# Altium PCB WunderBar_v102b.PcbDoc (part 7 of 7)
Units mil, origin at the board's own origin, x right, y up, seen from the top; angles counter-clockwise.
Board outline 4556.01 x 1552 mil, 4 copper layers (Top, Route2, Route15, Bottom), stack 52.756 mil thick; 380 components, 258 nets, 1400 pads, 528 vias.
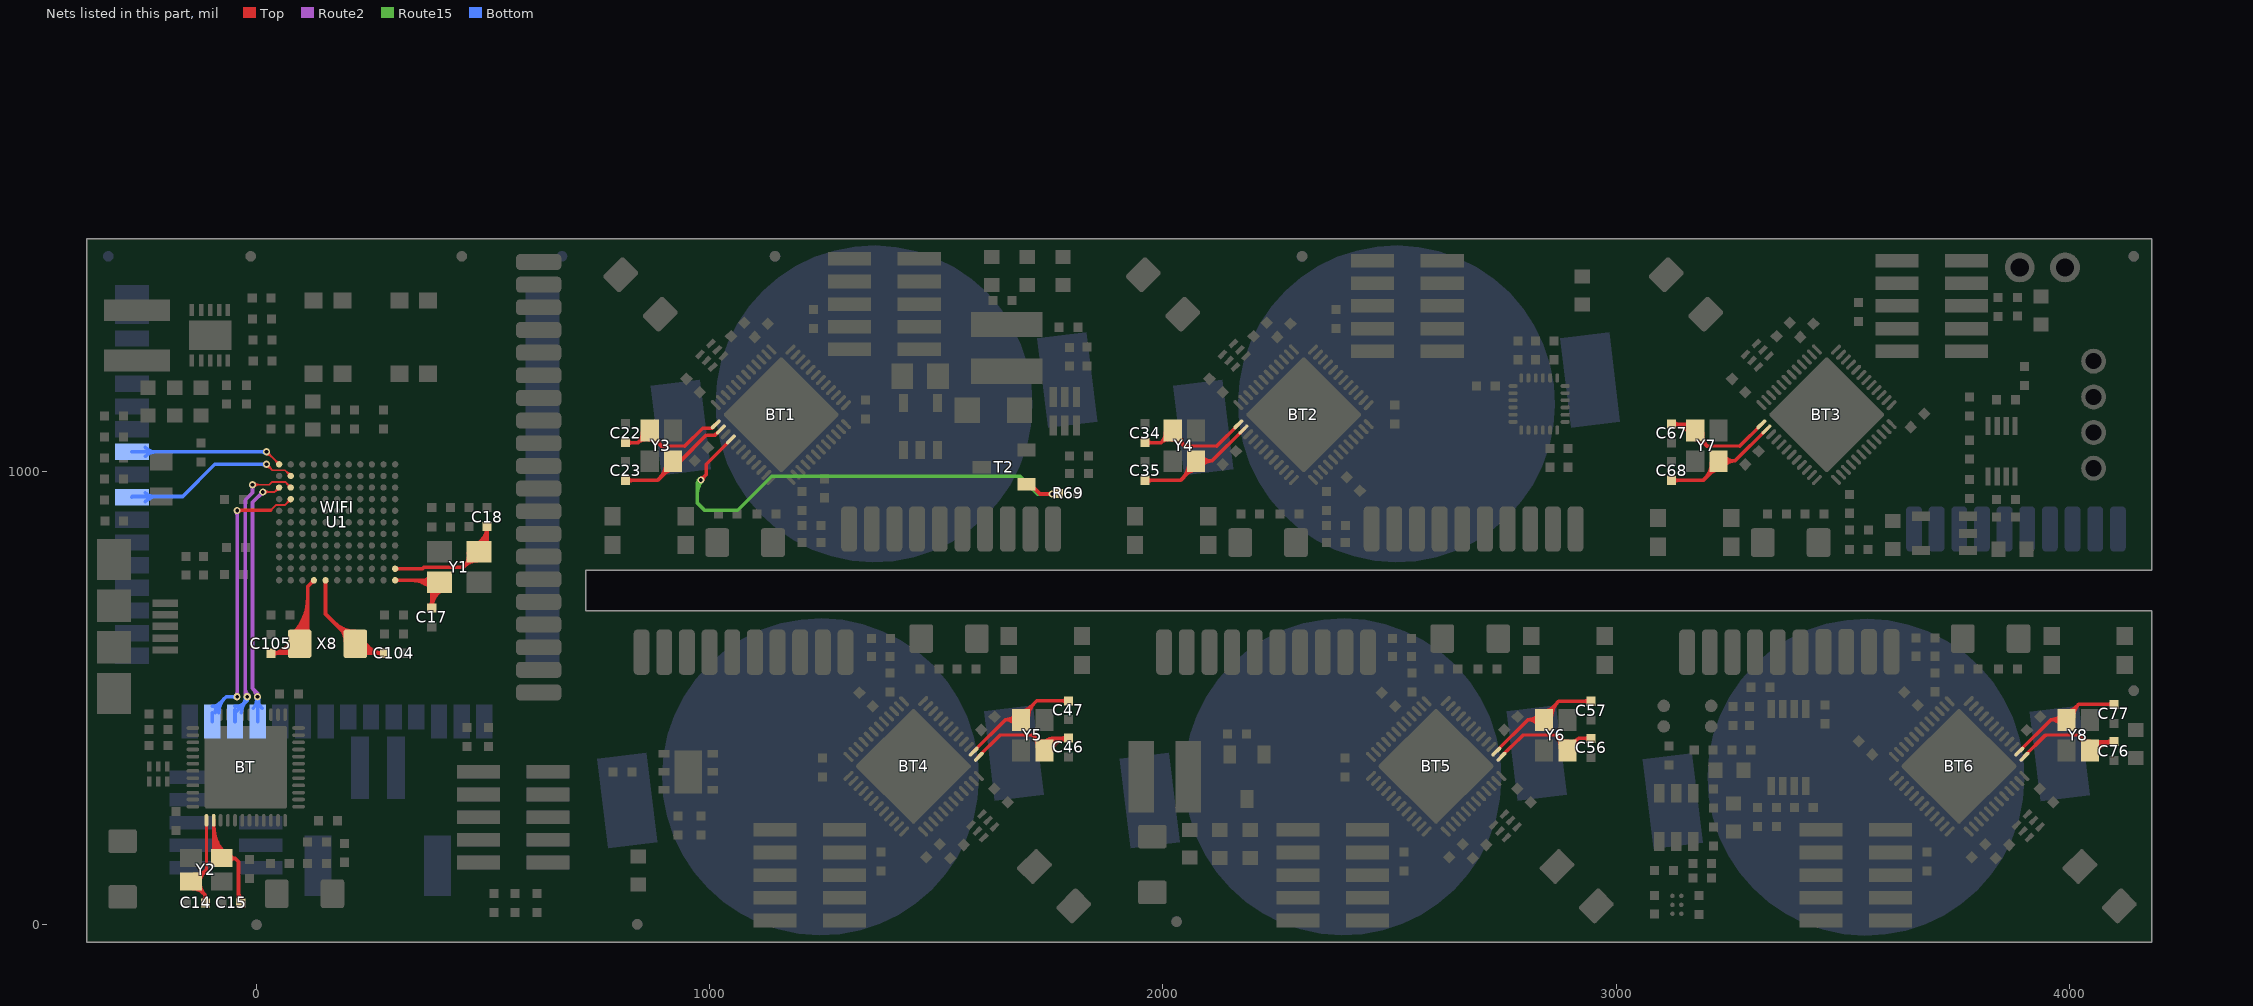
[diagram p9: the nets of this part, all layers, seen from the top]

## Via types
v1: diameter 16, hole 8, Top to Bottom, tented both sides, 282 vias
v2: diameter 24, hole 12, Top to Bottom, tented both sides, 135 vias
v3: diameter 14, hole 6, Top to Bottom, tented both sides, 34 vias
v4: diameter 48/41/41/48 (per signal layer), hole 32, Top to Bottom, 30 vias
v5: diameter 16, hole 8, Top to Route2, tented top, 18 vias
v6: diameter 21/21/21/21 (per signal layer), hole 12, Top to Bottom, tented both sides, 15 vias
v7: diameter 24, hole 12, Top to Route2, tented top, 12 vias
v8: diameter 21/21/21/21 (per signal layer), hole 12, Top to Bottom, 1 vias
v9: diameter 24, hole 8, Top to Bottom, tented both sides, 1 vias

## Nets (pads, with @x,y where several pads share a name; then routed paths per layer and width w, separated by ;. In a path a pad name is that pad's centre, name@x,y a point inside that pad or via, vN(x,y) a via of type N, cw(c..) or ccw(c..) an arc to the next point about the centre after c; other vN are vias at no path point) (continued)
WIFI_SPI_MOSI: U1.D2 WIFI.30 | length 766.8
  Top w4: 31.31,915 42.43,926.12 62.34,926.12 U1.D2@75.41,939.19 ; U1.D2@70.41,939.19 cw(c58.34,939.19) 66.88,930.65 cw(c75.41,922.12) U1.D2@75.41,934.19
  Top w8: v1(-43,914) -43,915 31.31,915 ; v1@-40.17,911.17 cw(c-30.93,901.93) -30.93,915
  Route2 w8: v1@-45.83,505.83 ccw(c-52.66,512.66) -43,512.66 ccw(c-33.34,512.66) v1@-40.17,505.83 ; v1@-45.83,911.17 cw(c-52.66,904.34) -43,904.34 cw(c-33.34,904.34) v1@-40.17,911.17 ; v1(-43,503) v1@-43,915
  Bottom w8: WIFI.30@-97.52,448.48 WIFI.30@-97.52,467.48 ; WIFI.30@-97.52,481.98 ccw(c-97.52,504.92) -81.3,488.7 ; WIFI.30@-91.52,467.98 cw(c-66.17,467.98) WIFI.30@-84.1,485.9 ; WIFI.30@-91.52,478.48 -67,503 v1(-43,503) ; WIFI.30@-83.52,467.98 cw(c-38.86,467.98) -70.44,499.56 ; v1@-45.83,500.17 ccw(c-52.66,493.34) -52.66,503 ccw(c-52.66,512.66) v1@-45.83,505.83
WIFI_SPI_SCK: U1.C1 WIFI.28 | length 731.1
  Top w4: v1(14,955) 40.03,955 U1.C1@49.81,964.78 ; v1@18.24,950.76 cw(c28.49,940.51) 28.49,955 cw(c28.49,969.49) v1@18.24,959.24 ; U1.C1@44.81,964.78 cw(c32.74,964.78) 41.28,956.25 cw(c49.81,947.71) U1.C1@49.81,959.78
  Route2 w8: v1@-1.99,503.28 ccw(c-26.06,504.94) -9,522 ; v1(2,503) 2,511 -9,522 ; v1@10,955 cw(c0.34,955) 7.17,948.17 cw(c14,941.34) v1@14,951 ; v1(14,955) -9,932 -9,522
  Bottom w8: WIFI.28@-7.42,477.88 ccw(c-31.32,501.78) 2.48,501.78 ccw(c36.28,501.78) WIFI.28@12.38,477.88 ; v1@-1.46,501 cw(c-12.13,494.84) -0.23,491.65 ; v1@-0.83,500.17 cw(c-8.82,492.18) 2.48,492.18 ; v1@0,499.54 cw(c-5.08,490.74) 4.73,493.37 ; WIFI.28@2.48,448.48 v1@2.48,503 ; 2.48,494.5 cw(c10.5,494.5) v1@4.83,500.17 ; 4.55,494.06 cw(c13.39,496.42) v1@5.46,501
WIFI_SPI_SSEL: U1.C2 WIFI.29 | length 791.6
  Top w4: v1(-9,971) 28,971 34.28,977.28 62.89,977.28 U1.C2@75.41,964.76 ; v1@-4.76,966.76 cw(c5.49,956.51) 5.49,971 cw(c5.49,985.49) v1@-4.76,975.24 ; U1.C2@70.41,964.76 ccw(c58.34,964.76) 66.88,973.3 ccw(c75.41,981.84) U1.C2@75.41,969.76
  Route2 w8: -25.09,523.7 ccw(c0.18,523.7) v1@-17.69,505.83 ; v1(-20.52,503) -25.09,507.57 -25.09,937.1 -9,953.2 v1(-9,971) ; v1@-11.83,968.17 cw(c-18.66,961.34) -9,961.34 cw(c0.66,961.34) v1@-6.17,968.17
  Bottom w8: WIFI.29@-47.52,448.48 WIFI.29@-47.52,474 ; WIFI.29@-47.52,481.98 ccw(c-47.52,515.73) -23.65,491.87 ; WIFI.29@-46.52,469 -20.52,495 v1(-20.52,503) ; WIFI.29@-33.52,467.98 cw(c0.33,467.98) -23.61,491.91 ; WIFI.29@-33,482.51 ccw(c-53.49,503) v1@-24.52,503
WIFI_UART_RX_LPC_TX: U1.A1 WIFI.41 | length 446.6
  Top w4: v1@22,1037.48 cw(c22,1022.34) 32.71,1033.05 ; v1@22.14,1043.62 U1.A1@49.81,1015.94 ; v1@28,1043.48 ccw(c41.83,1043.48) 32.05,1033.7 ; U1.A1@44.81,1015.94 ccw(c32.74,1015.94) 41.28,1024.48 ccw(c49.81,1033.01) U1.A1@49.81,1020.94
  Bottom w8: WIFI.41@-275.52,1043.48 v1(22,1043.48) ; WIFI.41@-245.62,1033.58 cw(c-221.72,1009.68) -221.72,1043.48 cw(c-221.72,1077.28) WIFI.41@-245.62,1053.38 ; v1@19.17,1040.65 ccw(c12.34,1033.82) 12.34,1043.48 ccw(c12.34,1053.14) v1@19.17,1046.31
WIFI_UART_TX_LPC_RX: U1.B2 WIFI.39 | length 501.6
  Top w4: v1@22,1010 cw(c22,995.51) 32.24,1005.76 cw(c42.49,1016) v1@28,1016 ; v1(22,1016) 35,1003 62.75,1003 U1.B2@75.41,990.34 ; U1.B2@70.41,990.34 ccw(c58.34,990.34) 66.88,998.88 ccw(c75.41,1007.41) U1.B2@75.41,995.34
  Bottom w8: WIFI.39@-275.52,943.48 -274.09,944.91 -163.09,944.91 -92,1016 v1(22,1016) ; WIFI.39@-245.62,933.58 cw(c-218.28,906.24) -218.28,944.91 ; WIFI.39@-245.62,953.38 ccw(c-225.16,973.84) -225.16,944.91 ; v1@19.17,1013.17 ccw(c12.34,1006.34) 12.34,1016 ccw(c12.34,1025.66) v1@19.17,1018.83
WLED_CTRL: BT1.40 R69.2 T2.1 | length 1157.2
  Top w8: v1(980.48,981.48) 992.48,993.48 992.48,1016.48 BT1.40@1047.48,1071.48 ; v1@980.48,985.48 ccw(c980.48,995.14) 987.31,988.31 ccw(c994.14,981.48) v1@984.48,981.48 ; T2.1@1688.48,971.48 1707.68,971.48 1728.68,950.48 v1(1755.48,950.48) R69.2@1769.96,950.48
  Route15 w8: 972.48,952.51 cw(c1009.45,952.51) v1@983.31,978.65 ; 972.48,971.82 cw(c990.14,971.82) v1@977.65,984.31 ; v1(980.48,981.48) 972.48,973.48 972.48,930.48 988.48,914.48 1061.48,914.48 1136.48,989.48 1684.48,989.48 1723.48,950.48 v1(1755.48,950.48)
XC16M1: BT.37 C14.1 Y2.3 | length 382.2
  Top w7: -110.52,120.48 BT.37@-110.52,231.48
  Top w8: Y2.3@-140.52,79.48 cw(c-140.52,48.1) -118.33,70.29 ; Y2.3@-139.36,103.4 ccw(c-136.37,123.8) Y2.3@-121.78,109.22 ; Y2.3@-138.2,111.31 ccw(c-133.48,143.44) -110.52,120.48 -127.52,103.48 -135.52,103.48 -143.52,95.48 -113.52,65.48 ; Y2.3@-132.53,95 ccw(c-110.48,93.69) Y2.3@-126.1,78.06 ; Y2.3@-124.55,94.53 ccw(c-86.74,92.27) -113.52,65.48 ; Y2.3@-124.52,95.48 cw(c-97.96,95.48) -116.74,114.26 ; C14.1@-117.09,52.72 ccw(c-125.72,61.35) -113.52,61.35 ; C14.1@-113.52,48.48 -113.52,65.48 ; -113.52,64.58 ccw(c-96.75,64.58) C14.1@-108.61,52.72
XC16M2: BT.38 C15.1 Y2.1 | length 423
  Top w8: -94.52,179.58 ccw(c-48.55,179.58) Y2.1@-81.06,147.07 ; -94.52,198.89 ccw(c-29.23,198.89) Y2.1@-75.4,152.73 ; BT.38@-94.52,218.2 ccw(c-9.92,218.2) Y2.1@-69.74,158.38 ; BT.38@-94.52,231.48 -94.52,164.48 -76.52,146.48 -47.48,146.48 ; Y2.1@-58.91,139.59 cw(c-47.48,133.55) -47.48,146.48 ; Y2.1@-58.44,153.59 ccw(c-47.48,158.49) -47.48,146.48 ; C15.1@-40,54.96 -40,139 -47.48,146.48 ; -40,75.4 ccw(c-7.93,75.4) C15.1@-30.61,52.72
XC16M3: BT1.38 C23.1 Y3.1 | length 368.3
  Top w8: C23.1@814.48,980.48 884.48,980.48 919.48,1015.48 919.48,1023.48 935.48,1023.48 992.48,1080.48 1011.48,1080.48 BT1.38@1025.48,1093.48 ; C23.1@818.72,976.57 cw(c828.17,967.12) 828.17,980.48 ; C23.1@818.72,985.05 ccw(c829.76,996.09) 829.76,980.48 ; 888.97,984.97 ccw(c854.92,1019.02) Y3.1@903.07,1019.02 ; 898.49,994.49 cw(c919.07,973.91) Y3.1@919.07,1003.02 ; 902.62,998.62 ccw(c882.23,1019.02) Y3.1@911.07,1019.02
XC16M4: BT1.37 C22.1 Y3.3 | length 399.7
  Top w7: 893.48,1056.48 944.48,1056.48
  Top w8: C22.1@814.48,1063.48 841.48,1063.48 ; C22.1@818.72,1059.57 cw(c828.17,1050.12) 828.17,1063.48 ; C22.1@818.72,1068.05 ccw(c829.76,1079.09) 829.76,1063.48 ; Y3.3@851.48,1086.63 cw(c818.97,1086.94) 841.52,1063.52 ; Y3.3@864.81,1070.71 ccw(c860.29,1044.03) 841.52,1063.52 ; Y3.3@867.17,1070.48 cw(c866.55,1038.87) 889.34,1060.78 ; Y3.3@875.45,1085.76 ccw(c896.53,1083.85) Y3.3@881.27,1069.18 ; Y3.3@883.42,1085.04 ccw(c919.65,1081.76) 893.42,1056.54 ; 893.48,1056.48 868.48,1082.48 868.48,1089.48 841.48,1063.48 ; 944.48,1056.48 984.48,1095.48 1004.48,1095.48 BT1.37@1013.48,1104.48 ; 1002.02,1095.48 ccw(c1002.02,1101.34) BT1.37@1006.16,1097.2
XC16M5: BT2.38 C35.1 Y4.1 | length 424.1
  Top w8: C35.1@1960.48,980.48 2038.48,980.48 2072.48,1015.48 2072.48,1023.48 2107.48,1023.48 ; C35.1@1964.72,976.57 cw(c1974.17,967.12) 1974.17,980.48 ; C35.1@1964.72,985.05 ccw(c1975.76,996.09) 1975.76,980.48 ; 2044.19,986.36 ccw(c2011.49,1018.12) Y4.1@2057.07,1018.78 ; 2051.05,993.42 cw(c2073.76,971.36) Y4.1@2073.3,1003.02 ; Y4.1@2057.65,1000.21 ccw(c2038.8,1018.52) Y4.1@2065.07,1018.9 ; Y4.1@2085.07,1033.6 ccw(c2107.48,1053.35) 2107.48,1023.48 ; Y4.1@2085.53,1012.98 cw(c2107.48,995.3) 2107.48,1023.48 ; BT2.38@2178.48,1093.48 2107.48,1023.48
XC16M6: BT2.37 C34.1 Y4.3 | length 400.6
  Top w7: 2047.48,1056.48 2118.48,1056.48
  Top w8: C34.1@1960.48,1063.48 1995.48,1063.48 ; C34.1@1964.72,1059.57 cw(c1974.17,1050.12) 1974.17,1063.48 ; C34.1@1964.72,1068.05 ccw(c1975.76,1079.09) 1975.76,1063.48 ; 1996.29,1064.29 ccw(c1974.1,1086.48) Y4.3@2005.48,1086.48 ; Y4.3@2018.64,1070.73 ccw(c2013.99,1044.97) 1995.48,1063.48 ; Y4.3@2021.48,1070.48 cw(c2021.48,1041.51) 2041.97,1062 ; Y4.3@2029.44,1085.66 ccw(c2050.69,1083.48) Y4.3@2035.58,1068.38 ; Y4.3@2037.4,1084.85 ccw(c2072.26,1081.27) 2047.48,1056.48 2021.48,1082.48 2021.48,1089.48 1995.48,1063.48 ; 2118.48,1056.48 BT2.37@2167.48,1104.48
XC16M7: BT4.38 C47.1 Y5.1 | length 418.1
  Top w8: BT4.38@1581.48,381.48 1652.48,452.48 ; Y5.1@1674.4,441.95 ccw(c1652.48,424.41) 1652.48,452.48 ; Y5.1@1674.92,462.57 cw(c1652.48,482.49) 1652.48,452.48 ; Y5.1@1686.89,471.94 ccw(c1686.89,501.05) 1707.47,480.47 ; Y5.1@1694.89,455.94 cw(c1723.73,455.94) 1703.34,476.34 ; Y5.1@1702.89,455.94 cw(c1751.04,455.94) 1716.99,489.99 ; 1776.2,494.48 cw(c1776.2,478.87) C47.1@1787.24,489.91 ; 1777.79,494.48 ccw(c1777.79,507.84) C47.1@1787.24,498.39 ; C47.1@1791.48,494.48 1721.48,494.48 1687.48,460.48 1687.48,452.48 1652.48,452.48
XC16M8: BT4.37 C46.1 Y5.3 | length 582
  Top w7: 1640.48,418.48 1712.48,418.48
  Top w8: BT4.37@1592.48,370.48 1640.48,418.48 ; 1712.38,418.58 cw(c1688.85,394.11) Y5.3@1722.58,390.28 ; 1712.48,418.48 1738.48,393.48 Y5.3@1738.48,389.48 ; 1719.41,411.82 ccw(c1737.65,430.79) Y5.3@1738.17,404.48 ; Y5.3@1724.05,407.36 cw(c1709.1,391.81) Y5.3@1730.53,389.38 ; Y5.3@1730.84,390.86 cw(c1758.86,382.13) 1758.86,411.48 ; Y5.3@1738.48,385.48 Y5.3@1738.48,389.48 ; Y5.3@1738.48,388.48 cw(c1769.74,378.74) 1769.74,411.48 ; Y5.3@1740.25,404.38 ccw(c1742.98,428.98) 1760.48,411.48 ; Y5.3@1746.12,386.1 cw(c1780.61,375.36) 1780.61,411.48 ; Y5.3@1753.76,383.72 cw(c1791.48,371.97) 1791.48,411.48 1760.48,411.48 ; Y5.3@1754.22,391.37 cw(c1776.5,395.46) 1760.48,411.48 ; 1775.38,411.48 ccw(c1775.38,428.25) C46.1@1787.24,416.39 ; 1776.15,407.37 ccw(c1771.83,423.49) C46.1@1786.28,415.15 ; 1778.61,411.48 cw(c1778.61,399.28) C46.1@1787.24,407.91 ; 1779.16,408.18 cw(c1782.34,396.32) C46.1@1788.48,406.95 ; Y5.3@1738.48,389.48 1760.48,411.48
XC16M9: BT5.38 C57.1 Y6.1 | length 422
  Top w8: BT5.38@2734.48,381.48 2805.48,452.48 ; Y6.1@2828.62,441.67 ccw(c2805.48,422.3) 2805.48,452.48 ; Y6.1@2829.15,462.82 cw(c2805.48,484.75) 2805.48,452.48 ; Y6.1@2840.89,471.94 ccw(c2840.89,498.63) 2859.76,479.76 ; Y6.1@2848.89,455.94 cw(c2880.14,455.94) 2858.04,478.04 ; Y6.1@2856.89,455.94 cw(c2907.45,455.94) 2871.7,491.7 ; 2929.2,493.48 cw(c2929.2,477.87) C57.1@2940.24,488.91 ; 2930.79,493.48 ccw(c2930.79,506.84) C57.1@2940.24,497.39 ; C57.1@2944.48,493.48 2873.48,493.48 2840.48,460.48 2840.48,452.48 2805.48,452.48
XC16M10: BT5.37 C56.1 Y6.3 | length 392.7
  Top w7: 2794.48,418.48 2866.48,418.48
  Top w8: BT5.37@2745.48,370.48 2794.48,418.48 ; 2871.99,412.97 ccw(c2892.48,433.45) Y6.3@2892.48,404.48 ; Y6.3@2876.56,390.11 ccw(c2841.7,393.7) 2866.48,418.48 2891.48,393.48 2891.48,385.48 2917.48,411.48 ; Y6.3@2878.38,406.58 cw(c2863.27,391.48) Y6.3@2884.52,389.3 ; Y6.3@2895.07,404.27 ccw(c2899.25,429.71) 2917.48,411.48 ; Y6.3@2908.47,388.9 cw(c2939.24,389.71) 2917.48,411.48 ; 2929.2,411.48 cw(c2929.2,395.87) C56.1@2940.24,406.91 ; 2930.79,411.48 ccw(c2930.79,424.84) C56.1@2940.24,415.39 ; C56.1@2944.48,411.48 2917.48,411.48
XC16M11: BT3.38 C68.1 Y7.1 | length 420.2
  Top w8: C68.1@3122.48,980.48 3191.48,980.48 3226.48,1015.48 3226.48,1023.48 3261.48,1023.48 ; C68.1@3126.72,976.57 cw(c3136.17,967.12) 3136.17,980.48 ; C68.1@3126.72,985.05 ccw(c3137.76,996.09) 3137.76,980.48 ; 3195.97,984.97 ccw(c3161.92,1019.02) Y7.1@3210.07,1019.02 ; 3205.49,994.49 cw(c3226.07,973.91) Y7.1@3226.07,1003.02 ; 3209.62,998.62 ccw(c3189.23,1019.02) Y7.1@3218.07,1019.02 ; Y7.1@3237.84,1033.85 ccw(c3261.48,1055.6) 3261.48,1023.48 ; Y7.1@3238.31,1012.7 cw(c3261.48,993.18) 3261.48,1023.48 ; BT3.38@3332.48,1093.48 3261.48,1023.48
XC16M12: BT3.37 C67.1 Y7.3 | length 442.7
  Top w7: 3200.48,1056.48 3272.48,1056.48
  Top w8: C67.1@3126.72,1100.91 cw(c3135.35,1092.28) 3135.35,1104.48 ; C67.1@3126.72,1109.39 ccw(c3138.58,1121.25) 3138.58,1104.48 ; 3138.48,1104.48 cw(c3138.48,1067.48) Y7.3@3168.08,1089.68 ; Y7.3@3154.48,1104.48 cw(c3154.48,1079.48) Y7.3@3174.48,1094.48 ; Y7.3@3161.68,1084.88 ccw(c3122.48,1055.48) 3122.48,1104.48 3160.48,1104.48 3175.48,1089.48 3175.48,1082.48 3200.48,1056.48 ; Y7.3@3174.17,1070.48 cw(c3173.55,1038.87) 3196.34,1060.78 ; Y7.3@3182.45,1085.76 ccw(c3203.53,1083.85) Y7.3@3188.27,1069.18 ; Y7.3@3190.42,1085.04 ccw(c3226.65,1081.76) 3200.42,1056.54 ; 3272.48,1056.48 BT3.37@3321.48,1104.48
XC16M13: BT6.38 C77.1 Y8.1 | length 405.8
  Top w8: BT6.38@3888.48,381.48 3959.48,452.48 ; Y8.1@3981.4,441.95 ccw(c3959.48,424.41) 3959.48,452.48 ; Y8.1@3981.92,462.57 cw(c3959.48,482.49) 3959.48,452.48 ; Y8.1@3993.89,471.94 ccw(c3993.89,501.05) 4014.47,480.47 ; Y8.1@4001.86,456.63 cw(c4024.1,458.53) Y8.1@4008.32,474.32 ; Y8.1@4009.83,457.31 cw(c4046.51,460.45) 4020.48,486.48 ; 4083.2,486.48 cw(c4083.2,470.87) C77.1@4094.24,481.91 ; 4084.79,486.48 ccw(c4084.79,499.84) C77.1@4094.24,490.39 ; C77.1@4098.48,486.48 4020.48,486.48 ; 3959.48,452.48 3994.48,452.48 3994.48,460.48 4020.48,486.48
XC16M14: BT6.37 C76.1 Y8.3 | length 478.6
  Top w7: 3948.46,418.54 4020.42,418.54
  Top w8: BT6.37@3899.48,370.48 3947.54,418.54 3948.46,418.54 ; 4026.7,412.26 ccw(c4045.48,431.04) Y8.3@4045.48,404.48 ; Y8.3@4029.65,390.78 ccw(c3997.34,395.46) 4020.42,418.54 4045.48,393.48 4045.48,385.48 4063.48,403.48 4098.48,403.48 ccw(c4098.48,358.68) Y8.3@4059.43,380.64 ; Y8.3@4031.71,407.25 cw(c4017.05,392.6) Y8.3@4037.56,389.63 ; Y8.3@4045.48,388.48 cw(c4071.12,374.06) 4071.12,403.48 ; Y8.3@4052.45,384.56 cw(c4084.8,366.37) 4084.8,403.48 ; 4082.38,403.48 ccw(c4082.38,420.25) C76.1@4094.24,408.39 ; 4083.15,399.37 ccw(c4078.83,415.49) C76.1@4093.28,407.15 ; 4085.61,403.48 cw(c4085.61,391.28) C76.1@4094.24,399.91 ; 4086.16,400.18 cw(c4089.34,388.32) C76.1@4095.48,398.95
XL1: C105.1 U1.L4 X8.1 | length 718.7
  Top w8: C105.1@35.94,594.92 cw(c46.18,584.68) 46.18,599.17 cw(c46.18,613.65) C105.1@35.94,603.41 ; 45.26,599.17 ccw(c45.26,641.96) X8.1@82.72,621.27 ; 58.82,599.17 ccw(c58.82,634.47) X8.1@89.72,617.4 ; X8.1@72.38,599.17 ccw(c72.38,626.98) X8.1@96.73,613.53 ; X8.1@75.72,625.14 cw(c31.7,649.45) C105.1@31.7,599.17 74.14,599.17 X8.1@94.98,620 ; X8.1@79.42,641.06 ccw(c-1.65,722.13) 113,722.13 ; X8.1@85.08,635.4 ccw(c17.66,702.81) 113,702.81 ; X8.1@90.73,629.74 ccw(c36.98,683.5) 113,683.5 ; X8.1@95.41,625.41 113,643 113,746.52 U1.L4@126.57,760.09 ; X8.1@96.39,624.09 ccw(c56.29,664.18) 113,664.18 ; X8.1@102.05,618.43 ccw(c75.61,644.87) X8.1@113,644.87 ; U1.L4@123.57,760.09 cw(c116.33,760.09) 121.45,754.97 cw(c126.57,749.84) U1.L4@126.57,757.09
XL2: C104.1 U1.L5 X8.2 | length 563.4
  Top w8: U1.L5@150.05,757.97 cw(c144.93,752.85) 152.18,752.85 cw(c159.42,752.85) U1.L5@154.3,757.97 ; U1.L5@152.18,760.09 152.18,685.82 X8.2@218,620 238.83,599.17 C104.1@282.09,599.17 cw(c282.09,650.84) X8.2@237.14,625.35 ; 171.05,666.95 ccw(c218,713.89) X8.2@218,647.5 ; 184.33,653.67 cw(c156.17,625.5) X8.2@196,625.5 ; 184.71,653.29 ccw(c218,686.58) X8.2@218,639.5 ; X8.2@216.26,613.51 ccw(c240.89,627.48) X8.2@240.89,599.17 ; X8.2@223.22,617.46 ccw(c254.62,635.27) 254.62,599.17 ; X8.2@230.18,621.41 ccw(c268.36,643.05) 268.36,599.17 ; C104.1@277.85,594.92 ccw(c267.61,584.68) 267.61,599.17 ccw(c267.61,613.65) C104.1@277.85,603.41
XTAL1: C18.1 U1.K11 Y1.3 | length 478.1
  Top w8: U1.K11@305.74,785.66 366,785.66 369.26,788.93 456.93,788.93 ; U1.K11@307.86,783.54 cw(c312.99,778.42) 312.99,785.66 cw(c312.99,792.91) U1.K11@307.86,787.78 ; 460.56,792.56 cw(c487.02,766.1) Y1.3@487.02,803.52 ; Y1.3@467.68,820.51 cw(c430.2,815.65) 456.93,788.93 ; Y1.3@468.43,800.43 ccw(c450.56,818.29) Y1.3@475.62,821.54 ; Y1.3@485.62,840.1 ccw(c464.29,878.85) 508.52,878.85 Y1.3@508.52,840.52 ; Y1.3@489.47,833.09 ccw(c471.74,865.31) 508.52,865.31 ; Y1.3@491.02,823.02 456.93,788.93 ; Y1.3@493.33,826.09 ccw(c479.19,851.78) 508.52,851.78 ; C18.1@504.28,874.61 cw(c494.03,864.37) 508.52,864.37 cw(c523.01,864.37) C18.1@512.76,874.61
XTAL2: C17.1 U1.L11 Y1.1 | length 396.3
  Top w8: U1.L11@305.74,760.09 Y1.1@398.95,760.09 ; U1.L11@307.86,757.97 cw(c312.99,752.84) 312.99,760.09 cw(c312.99,767.33) U1.L11@307.86,762.21 ; 341.41,760.09 cw(c341.41,697.41) Y1.1@385.73,741.73 ; 360.73,760.09 cw(c360.73,716.73) Y1.1@391.39,747.39 ; 363.47,760.09 ccw(c363.47,791.57) Y1.1@385.73,769.31 ; C17.1@382.24,703.39 ccw(c371.99,713.63) 386.48,713.63 ccw(c400.97,713.63) C17.1@390.72,703.39 ; C17.1@386.48,697.66 cw(c434.69,697.66) Y1.1@409.65,738.86 ; C17.1@386.48,699.15 Y1.1@386.48,738.48 ; 386.48,711.89 cw(c426.04,711.89) Y1.1@405.49,745.69 ; 386.48,726.11 cw(c417.39,726.11) Y1.1@401.34,752.53
pads on no net: ANT1.2 ANT2.2 ANT3.2 ANT4.2 ANT5.2 ANT6.2 ANT7.2 BALUN1.6 BALUN2.6 BALUN3.6 BALUN4.6 BALUN5.6 BALUN6.6 BALUN.6 BATT.3 BATT.4 BT1.2 BT1.3 BT1.16 BT1.17 BT1.18 BT1.19 BT1.20 BT1.21 BT1.22 BT1.25 BT1.26 BT1.27 BT1.28 BT1.47 BT2.2 BT2.3 BT2.16 BT2.17 BT2.18 BT2.19 BT2.20 BT2.21 BT2.22 BT2.25 BT2.26 BT2.27 BT2.28 BT2.40 BT2.47 BT3.2 BT3.3 BT3.16 BT3.17 BT3.18 BT3.19 BT3.20 BT3.25 BT3.26 BT3.27 BT3.28 BT3.40 BT3.42 BT3.43 BT3.44 BT3.47 BT4.2 BT4.3 BT4.16 BT4.17 BT4.18 BT4.19 BT4.20 BT4.21 BT4.22 BT4.25 BT4.26 BT4.27 BT4.28 BT4.40 BT4.42 BT4.47 BT5.2 BT5.3 BT5.16 BT5.17 BT5.18 BT5.19 BT5.20 BT5.21 BT5.22 BT5.25 BT5.26 BT5.27 BT5.28 BT5.40 BT5.42 BT5.43 BT5.47 BT6.2 BT6.3 BT6.20 BT6.21 BT6.22 BT6.25 BT6.26 BT6.27 BT6.28 BT6.40 BT6.42 BT6.43 BT6.44 BT6.47 BT.2 BT.3 BT.10 BT.11 BT.14 BT.15 BT.16 BT.17 BT.18 BT.19 BT.20 BT.21 BT.22 BT.25 BT.26 BT.27 BT.28 BT.40 BT.41 BT.42 BT.43 BT.44 BT.47 DEBUG1.6 DEBUG1.8 DEBUG1.10 DEBUG2.6 DEBUG2.8 DEBUG2.10 DEBUG3.6 DEBUG3.8 DEBUG3.10 DEBUG4.6 DEBUG4.8 DEBUG4.10 DEBUG5.6 DEBUG5.8 DEBUG5.10 DEBUG6.6 DEBUG6.8 DEBUG6.10 FM1.0 FM2.0 FM3.0 FM4.0 FM5.0 FM6.0 FM7.0 FM8.0 FM9.0 FM10.0 FM11.0 FM12.0 FM13.0 FM14.0 FM15.0 FM16.0 FM17.0 FM18.0 IC3.3 LPC_DEBUG.7 NRF_DEBUG.6 NRF_DEBUG.7 NRF_DEBUG.8 NRF_DEBUG.10 SENSE1.3 SENSE1.4 SENSE1.PAD SENSE2.1 SENSE2.2 SENSE2.3 SENSE2.4 SENSE2.5 SENSE2.6 SENSE2.7 SENSE2.14 SENSE2.15 SENSE2.16 SENSE2.17 SENSE2.19 SENSE2.21 U1.A3 U1.A5 U1.A11 U1.B3 U1.B4 U1.B5 U1.B6 U1.B7 U1.B8 U1.B9 U1.C3 U1.C4 U1.C5 U1.C6 U1.C7 U1.C8 U1.C9 U1.D3 U1.D4 U1.D5 U1.D6 U1.D7 U1.D9 U1.E1 U1.E8 U1.E9 U1.E10 U1.F8 U1.F9 U1.F10 U1.G8 U1.G9 U1.H4 U1.H6 U1.J8 U1.K3 U1.K4 U1.K5 U1.K8 U1.L7 USB.4_ID_NC VREG2.4 WIFI.10 WIFI.11 WIFI.12 WIFI.13 WIFI.14 WIFI.15 WIFI.16 WIFI.18 WIFI.19 WIFI.20 WIFI.21 WIFI.22 WIFI.23 WIFI.24 WIFI.25 WIFI.26 WIFI.37 WIFI.38 WIFI.40 WIFI.42 WIFI.43 WIFI.45 WIFI_DEBUG.7
copper on no net:
  other v1: 3052,1154

## Polygon pours and split planes (outlines as drawn)
VD33 on Route15 "Route15-VD33 1" (solid, remove dead copper, pour order 29): 1873.48,1506.48 1873.48,791.48 733.48,791.48 733.48,1151.32 887.69,1229.94 1005.01,1347.26 1084.63,1506.48
VD33 on Route15 "Route15-VD33 2" (solid, remove dead copper, pour order 30): 3026.48,1506.48 3026.48,791.48 1886.48,791.48 1886.48,1151.32 2041.7,1229.94 2159.01,1347.26 2238.63,1506.48
VD33 on Route15 "Route15-VD33 3" (solid, remove dead copper, pour order 31): 733.48,-31.52 733.48,683.48 1873.48,683.48 1873.48,324.65 1718.27,245.03 1600.95,127.7 1521.33,-31.52
VD33 on Route15 "Route15-VD33 4" (solid, remove dead copper, pour order 32): 1886.48,-31.52 1886.48,683.48 3026.48,683.48 3026.48,324.65 2872.27,245.03 2753.95,127.7 2675.34,-31.52
VD33 on Route15 "Route15-VD33 5" (solid, remove dead copper, pour order 33): 4174.48,1506.48 4174.48,791.48 3040.48,791.48 3040.48,1151.32 3194.69,1229.94 3312.01,1347.26 3391.63,1506.48
VD33 on Route15 "Route15-VD33 6" (solid, remove dead copper, pour order 34): 3040.48,-31.52 3040.48,683.48 4174.48,683.48 4174.48,324.68 4025.29,245.04 3907.95,127.7 3828.33,-31.52
VD33 on Route15 "vcc" (solid, remove dead copper, pour order 44): -374.52,1513.48 717.9,1513.48 717.9,-31.9 717.9,-38.52 -374.52,-38.52
GND on Route2 "Route2-GND 1" (solid, remove dead copper, pour order 37): 1873.48,1506.48 1873.48,791.48 733.48,791.48 733.48,1151.32 887.69,1229.94 1005.01,1347.26 1084.63,1506.48
GND on Route2 "Route2-GND 2" (solid, remove dead copper, pour order 46): 733.48,-34 733.48,681 1873.48,681 1873.48,322.17 1718.27,242.55 1600.95,125.22 1521.33,-34
GND on Route2 "Route2-GND 3" (solid, remove dead copper, pour order 49): 1886.48,-31.52 1886.48,683.48 3026.48,683.48 3026.48,324.65 2872.27,245.03 2753.95,127.7 2675.34,-31.52
GND on Route2 "Route2-GND 4" (solid, remove dead copper, pour order 52): 4174.48,1506.48 4174.48,791.48 3040.48,791.48 3040.48,1151.32 3194.69,1229.94 3312.01,1347.26 3391.63,1506.48
GND on Route2 "Route2-GND 5" (solid, remove dead copper, pour order 55): 3040.48,-31.52 3040.48,683.48 4174.48,683.48 4174.48,324.68 4025.29,245.04 3907.95,127.7 3828.33,-31.52
GND on Route2 "Route2-GND 6" (solid, remove dead copper, pour order 56): 3026.48,1506.48 3026.48,791.48 1886.48,791.48 1886.48,1151.32 2041.7,1229.94 2159.01,1347.26 2238.63,1506.48
GND on Route2 "vcc" (solid, remove dead copper, pour order 40): -374.52,1513.48 -374.3,1513.7 717.8,1513.7 717.8,-38.52 -374.52,-38.52
GND on Top "Top-GND 1" (solid, remove dead copper, pour order 35): 1873.48,1506.48 1873.48,791.48 733.48,791.48 733.48,1151.32 887.69,1229.94 1005.01,1347.26 1084.63,1506.48
GND on Top "Top-GND 2" (solid, remove dead copper, pour order 38): 3026.48,1506.48 3026.48,791.48 1886.48,791.48 1886.48,1151.32 2041.7,1229.94 2159.01,1347.26 2238.63,1506.48
GND on Top "Top-GND 3" (solid, remove dead copper, pour order 42): 733.48,-31.52 733.48,683.48 1873.48,683.48 1873.48,324.65 1718.27,245.03 1600.95,127.7 1521.33,-31.52
GND on Top "Top-GND 4" (solid, remove dead copper, pour order 47): 1886.48,-31.52 1886.48,683.48 3026.48,683.48 3026.48,324.65 2872.27,245.03 2753.95,127.7 2675.34,-31.52
GND on Top "Top-GND 5" (solid, remove dead copper, pour order 50): 4174.48,1506.48 4174.48,791.48 3040.48,791.48 3040.48,1151.32 3194.69,1229.94 3312.01,1347.26 3391.63,1506.48
GND on Top "Top-GND 6" (solid, remove dead copper, pour order 53): 3040.48,-31.52 3040.48,683.48 4174.48,683.48 4174.48,324.68 4025.29,245.04 3907.95,127.7 3828.33,-31.52
GND on Top "vcc" (solid, remove dead copper, pour order 41): -374.52,1513.48 717.7,1513.48 717.8,1513.38 717.8,-38.52 -374.52,-38.52
GND on Bottom "Bottom-GND 1" (solid, remove dead copper, pour order 36): 1873.48,791.48 733.48,791.48 733.48,1151.32 887.69,1229.94 1005.01,1347.26 1084.63,1506.48 1873.48,1506.48
GND on Bottom "Bottom-GND 2" (solid, remove dead copper, pour order 39): 3026.48,791.48 1886.48,791.48 1886.48,1151.32 2041.7,1229.94 2159.01,1347.26 2238.63,1506.48 3026.48,1506.48
GND on Bottom "Bottom-GND 3" (solid, remove dead copper, pour order 43): 733.48,683.48 1873.48,683.48 1873.48,324.65 1718.27,245.03 1600.95,127.7 1521.33,-31.52 733.48,-31.52
GND on Bottom "Bottom-GND 4" (solid, remove dead copper, pour order 48): 1886.48,683.48 3026.48,683.48 3026.48,324.65 2872.27,245.03 2753.95,127.7 2675.34,-31.52 1886.48,-31.52
GND on Bottom "Bottom-GND 5" (solid, remove dead copper, pour order 51): 4174.48,791.48 3040.48,791.48 3040.48,1151.32 3194.69,1229.94 3312.01,1347.26 3391.63,1506.48 4174.48,1506.48
GND on Bottom "Bottom-GND 6" (solid, remove dead copper, pour order 54): 3040.48,683.48 4174.48,683.48 4174.48,324.68 4025.29,245.04 3907.95,127.7 3828.33,-31.52 3040.48,-31.52
GND on Bottom "vcc" (solid, remove dead copper, pour order 45): -374.52,1513.48 717.9,1513.48 717.9,-38.52 -374.52,-38.52

## Keep-outs
Keep-Out Layer:
  the board outline again, w6

## Other copper
Top:
  rectangle net GND: -92.96,812 -76,834.71
  rectangle net NetC112_2: 3160.48,111.48 3178.48,128.48
  rectangle net VD33: -364,1170 -223,1267
  rectangle net GND: 3796,853 3811,873
  rectangle net GND: 3105,18.64 3114.48,22.48
  rectangle net GND: 1501.48,1366.48 1524.48,1382.25
  rectangle net GND: 2558.75,1301.48 2583.48,1315.92
  rectangle net GND: 3407.48,883.48 3418.33,908.48
  rectangle net GND: -162.52,293.48 -110.52,307.48
  pour cut-out: -367.52,293.48 -232.86,293.48 -232.84,293.46 -225.86,293.46 -225.83,293.49 -222.47,290.13 -222.41,290.13 -211.52,279.24 -211.52,-31.52 -367.52,-31.52
  region net L\P\C\_\R\E\S\E\T\: 626,124 626,117 633,124
  region net GND: -118.89,1045.15 -124.29,1045.15 -124.29,1041.33 -126.15,1039.48 -120.75,1039.48
Route2:
  pour cut-out: -367.52,293.48 -232.86,293.48 -232.84,293.46 -225.86,293.46 -225.83,293.49 -222.47,290.13 -222.41,290.13 -211.52,279.24 -211.52,-31.52 -367.52,-31.52
Route15:
  rectangle net VD33: 71.48,911.61 96.49,915.57
  pour cut-out: -367.52,293.48 -232.86,293.48 -232.84,293.46 -225.86,293.46 -225.83,293.49 -222.47,290.13 -222.41,290.13 -211.52,279.24 -211.52,-31.52 -367.52,-31.52
Bottom:
  rectangle net VD33: 789.48,94.48 814.48,152.48
  pour cut-out: -367.52,293.48 -232.86,293.48 -232.84,293.46 -225.86,293.46 -225.83,293.49 -222.47,290.13 -222.41,290.13 -211.52,279.24 -211.52,-31.52 -367.52,-31.52

## Silkscreen, mask and mechanical layers (free items; w line width, h text height)
Top Overlay:
  circle w8: c2891.48,1088.48 r3
  circle w8: c3800.48,1006.48 r3
  circle w8: c1030.48,278.48 r3
  circle w8: c3338.48,344.06 r3
  circle w8: c3194.93,459.61 r3
  circle w8: c3066.48,197.48 r3
  circle w8: c3103.87,85.2 r3
  rectangle: 941.48,394.48 960.48,407.48
  text "GND" at 3870.07,1493.4 h20
  text "VIN" at 3971.61,1493.4 h20
  text "GND" at 493.39,1453.52 h30
  text "LIGHT/PROX" at 1209.51,1442.38 h50 r180
  text "ACCEL/GYRO" at 2372.48,1442.38 h50 r180
  text "BRIDGE" at 3464.48,1442.38 h50 r180
  text "DEBUG" at 1532.62,1424.51 h35 r270
  text "DEBUG" at 2686.62,1420.51 h35 r270
  text "VDD" at 495.06,1402.52 h30
  text "BT1" at 500.94,1351.48 h35
  text "DEBUG" at 3836.79,1319.49 h35 r270
  text "BT2" at 496.87,1301.48 h35
  text "BT3" at 496.64,1251.33 h35
  text "TX" at 3946.25,1232.4 h35
  text "AN4" at 490.79,1201.48 h35
  text "AN3" at 491.02,1151.52 h35
  text "RX" at 3944.47,1152.4 h35
  text "AN2" at 491.02,1101.33 h35
  text "VEXT" at 3904.43,1078.4 h35
  text "AN1" at 495.09,1051.48 h35
  text "SD_CLK" at 430.09,1000.29 h35
  text "GND" at 3919.07,995.4 h35
  text "SD_CMD" at 421.3,951.29 h35
  text "VDD" at 1784.05,904.37 h35 r270
  text "D3" at 528.1,901.29 h35
  text "D2" at 528.33,851.29 h35
  text "USB" at -260.55,817.66 h35
  text "P2" at 1319.68,811.75 h25 r180
  text "P4" at 1419.73,811.75 h25 r180
  text "P7" at 1569.76,811.75 h25 r180
  text "P2" at 2472.68,811.75 h25 r180
  text "P4" at 2572.73,811.75 h25 r180
  text "P7" at 2722.76,811.75 h25 r180
  text "P3" at 1369.76,811.48 h25 r180
  text "P5" at 1469.83,811.48 h25 r180
  text "P6" at 1517.88,811.48 h25 r180
  text "P8" at 1619.78,811.48 h25 r180
  text "P9" at 1669.78,811.48 h25 r180
  text "P3" at 2522.76,811.48 h25 r180
  text "P5" at 2622.83,811.48 h25 r180
  text "P6" at 2670.88,811.48 h25 r180
  text "P8" at 2772.78,811.48 h25 r180
  text "P9" at 2822.78,811.48 h25 r180
  text "GND" at 1726.35,809.97 h20 r180
  text "VDD" at 1775.78,809.97 h20 r180
  text "GND" at 2879.35,809.97 h20 r180
  text "VDD" at 2928.78,809.97 h20 r180
  text "D1" at 532.4,799.29 h35
  text "D0" at 528.16,751.29 h35
  text "I2C_SCL" at 427.44,701.29 h35
  text "VDD" at 3139.36,665.98 h20
  text "GND" at 3188.79,665.98 h20
  text "VDD" at 831.18,664.99 h20
  text "GND" at 880.61,664.99 h20
  text "VDD" at 1984.18,664.99 h20
  text "GND" at 2033.61,664.99 h20
  text "P10" at 3238.06,664.47 h25
  text "P9" at 3295.36,664.47 h25
  text "P8" at 3345.38,664.2 h25
  text "P7" at 3397.27,664.47 h25
  text "P5" at 3445.32,664.47 h25
  text "P4" at 3495.41,664.2 h25
  text "P3" at 3545.38,664.47 h25
  text "P2" at 3595.46,664.2 h25
  text "P9" at 937.18,663.48 h25
  text "P8" at 987.18,663.48 h25
  text "P7" at 1037.2,663.21 h25
  text "P6" at 1089.09,663.48 h25
  text "P5" at 1137.14,663.48 h25
  text "P4" at 1187.23,663.21 h25
  text "P3" at 1237.2,663.48 h25
  text "P2" at 1287.28,663.21 h25
  text "P9" at 2090.18,663.48 h25
  text "P8" at 2140.18,663.48 h25
  text "P7" at 2190.2,663.21 h25
  text "P6" at 2242.09,663.48 h25
  text "P5" at 2290.14,663.48 h25
  text "P4" at 2340.23,663.21 h25
  text "P3" at 2390.2,663.48 h25
  text "P2" at 2440.28,663.21 h25
  text "I2C_SDA" at 422.87,651.29 h35
  text "BT6" at 496.64,600.29 h35
  text "BT5" at 496.46,551.29 h35
  text "BT4" at 496.72,501.29 h35
  text "MCU" at 546.45,416.66 h35
  text "DEBUG" at 546.45,382.66 h35
  text "DEBUG" at 1073.34,54.45 h35 r90
  text "TEMP/HUMIDITY" at 1369.86,23.06 h50
  text "IR TRANSMITTER" at 2517.48,23.06 h50
  text "MICROPHONE" at 3705.48,23.06 h50
  text "DEBUG" at 2228.16,1.04 h35 r90
  text "DEBUG" at 3379.71,1.04 h35 r90
Bottom Overlay:
  text "HW REV. 1.02" at 776.9,852.12 h50 r180
  text "HW REV. 1.02" at 1930.9,851.12 h50 r180
  text "HW REV. 1.02" at 3079.9,848.12 h50 r180
  text "P1" at 3646.39,811.48 h25 r180
  text "P2" at 3694.93,811.49 h25 r180
  text "P3" at 3744.85,811.48 h25 r180
  text "P4" at 3794.88,811.42 h25 r180
  text "P5" at 3844.79,811.42 h25 r180
  text "P6" at 3894.85,811.48 h25 r180
  text "P8" at 3944.83,811.48 h25 r180
  text "P9" at 3994.83,811.48 h25 r180
  text "GND" at 4038.27,810.19 h20 r180
  text "VDD" at 4088.83,809.97 h20 r180
  text "b" at 711,727 h50
  text "HW REV. 1.02" at 2989.06,621.84 h50
  text "HW REV. 1.02" at 1838.06,620.84 h50
  text "HW REV. 1.02" at 4143.06,620.84 h50
  text "WIFI" at 635.83,411.74 h35
  text "CONN" at 198,379 h35
  text "BATT" at 425,379 h35
  text "DEBUG" at 635.83,377.74 h35
  text "DEBUG" at -9.55,366.04 h35
  text "BT" at 43.45,365.66 h35
  text "HW REV. 1.02" at 702.06,-15.16 h50
tValues:
  text "5V+" at 4137.48,1469.48 h34 r180
VCUT:
  lines w10: 687.11,1574.62 726.48,1535.25 ; 726.48,-38.52 726.48,1513.56 ; 726.48,1732.1 726.48,1535.25 ; 765.85,1574.62 726.48,1535.25 ; 1840.11,1574.6 1879.48,1535.23 ; 1879.48,-38.54 1879.48,1513.54 ; 1879.48,1732.08 1879.48,1535.23 ; 1918.85,1574.6 1879.48,1535.23 ; 2994.11,1574.61 3033.48,1535.24 ; 3033.48,-38.54 3033.48,1513.54 ; 3033.48,1732.09 3033.48,1535.24 ; 3072.85,1574.61 3033.48,1535.24
  text "V-CUT" at 752.09,1751.79 h80 r90
  text "V-CUT" at 1905.09,1751.77 h80 r90
  text "V-CUT" at 3059.09,1751.77 h80 r90
Vscore:
  lines w4: -532,-38.52 4338.48,-38.52 ; -532,1513.48 4338.48,1513.48 ; -374.52,-196 -374.52,1690.48 ; 726.48,-196 726.48,1690.48 ; 1879.48,-196 1879.48,1690.48 ; 3033.48,-196 3033.48,1690.48 ; 4181.48,-196 4181.48,1690.48
mehanical-grove:
  lines w6: 4181.5,891.23 4299.61,891.23 4299.61,1359.73 4181.5,1359.73